# Allegro board PandaX_III_V3.brd (continued)
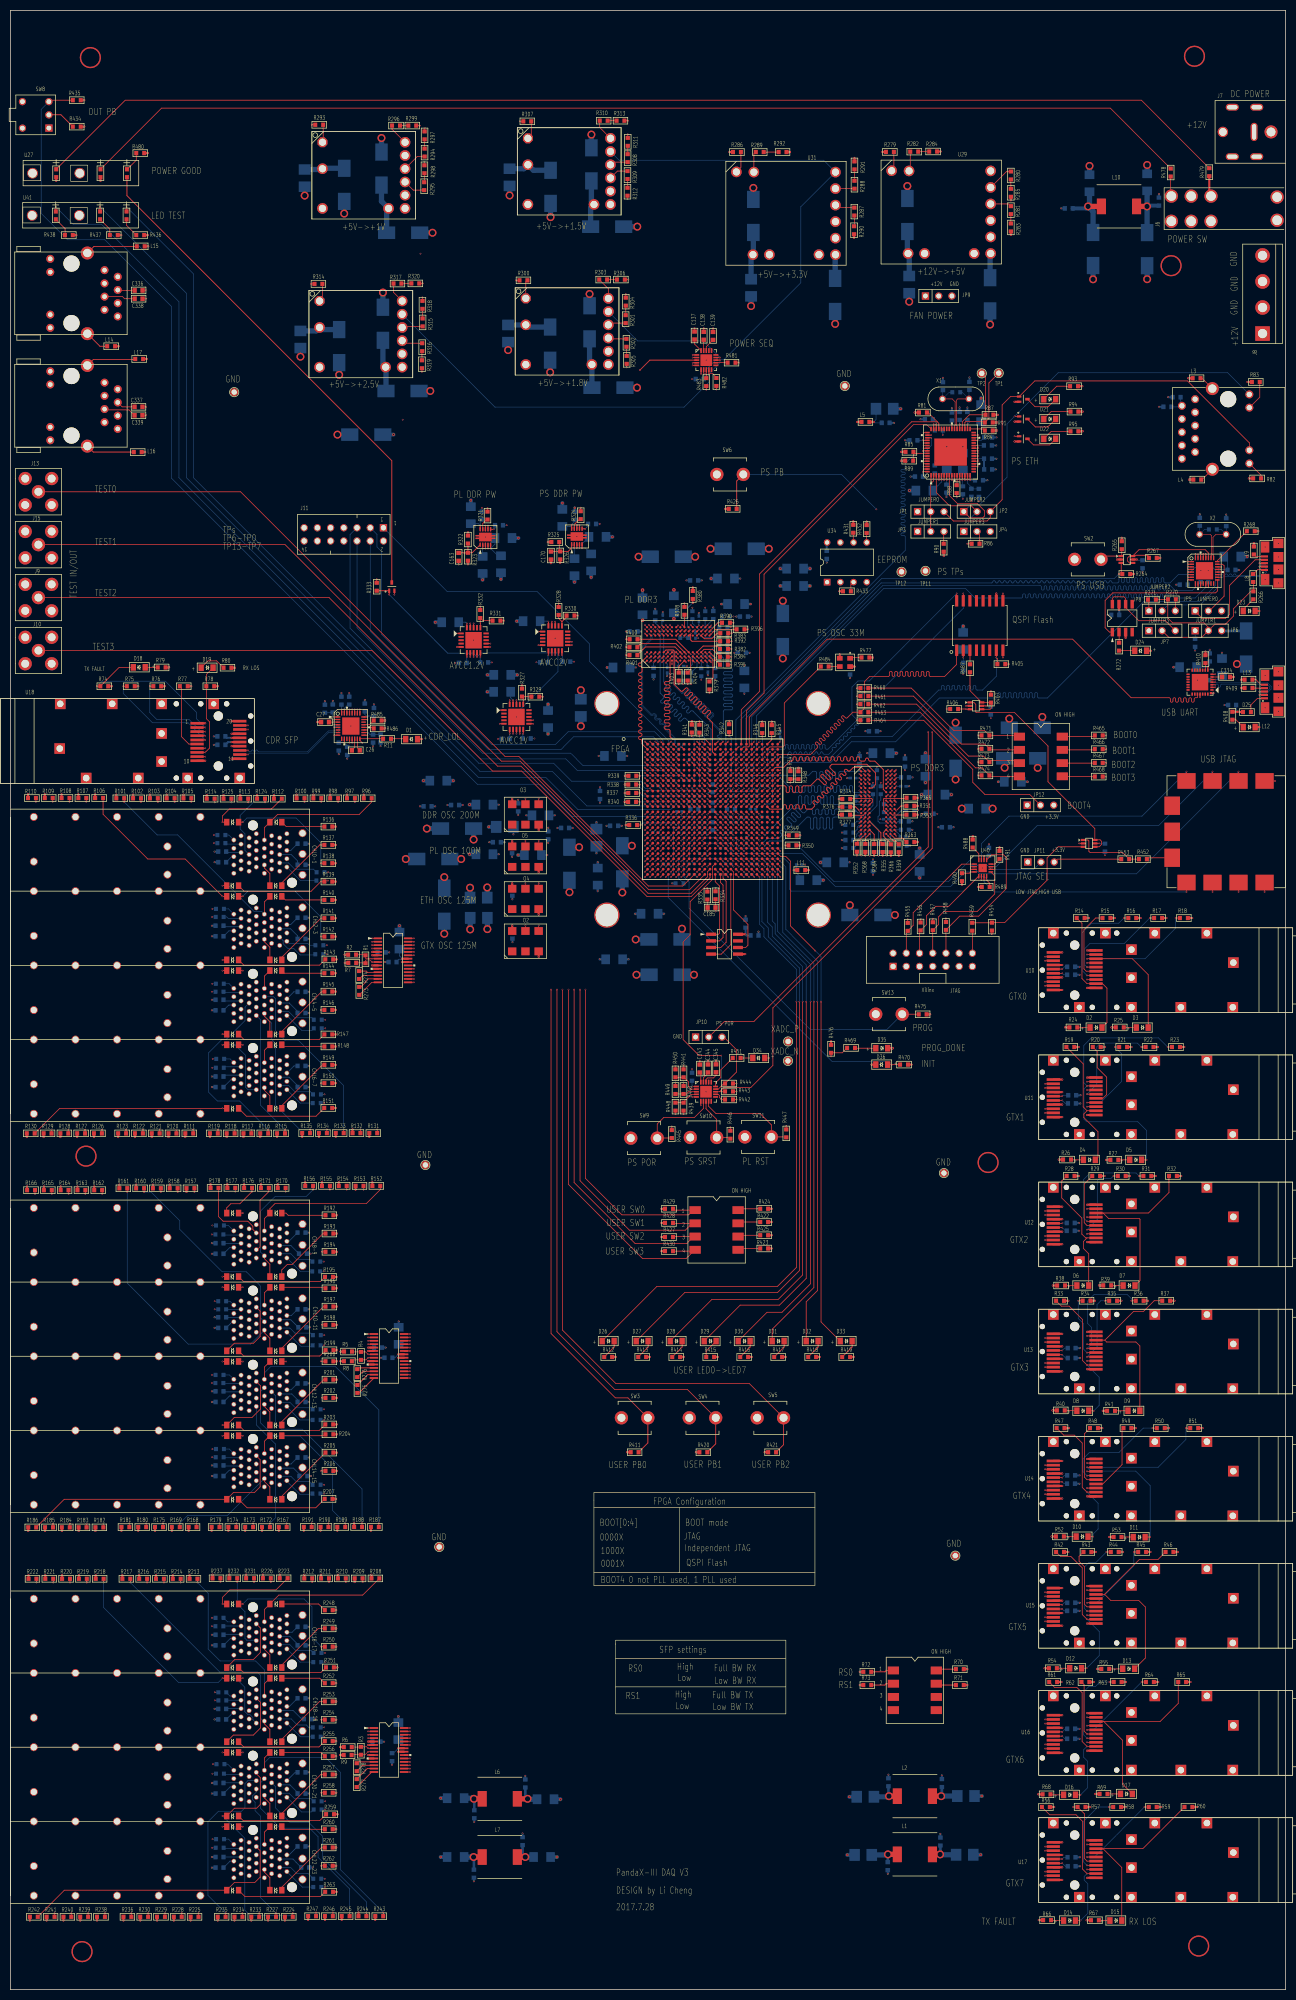
[diagram p0: board, top side]
## Routing (per net, layer and track width the routed paths; a pad name or vN(x,y) marks a point on that pad's centre or on a via; arc(x,y) is an arc through that point) (continued)
SFP_RX_LOS1: length 54.2
  TOP w0.127: U11.8 v1(206.86,173.51) ; R23.1 v1(222.35,180.98) ; D5.2 v1(218.31,159.31)
  BOTTOM w0.127: v1(218.31,159.31) 218.31,164.92 216.61,166.63 206.78,166.63 206.27,167.13 206.27,172.92 v1(206.86,173.51) 206.25,174.12 206.25,181.28 207.7,182.73 220.6,182.73 v1(222.35,180.98)
SFP_RX_LOS2: length 39.5
  TOP w0.127: 209.96,149.1 211.02,148.03 216.92,148.03 217.04,147.91 217.04,136.15 D7.2 ; 209.96,149.1 U12.8 ; 209.96,149.1 218.67,149.1 222.61,153.04 R32.1
SFP_RX_LOS3: length 35.5
  TOP w0.127: 210.29,124.69 215.82,130.23 217.73,130.23 219.76,132.26 R37.1 ; 210.29,124.69 U13.8 ; 210.29,124.69 210.64,124.33 216.26,124.33 217.02,123.57 D9.2
SFP_RX_LOS4: length 50.4
  TOP w0.127: R51.1 v1(225.86,107.8) ; U14.8 v1(206.86,100.28) ; D11.2 v1(219,86.87)
  BOTTOM w0.127: v1(225.86,107.8) 225.86,105.61 220.52,100.28 v1(206.86,100.28) 207.59,99.54 216.2,99.54 219,96.75 v1(219,86.87)
SFP_RX_LOS5: length 38.3
  TOP w0.127: U15.8 210.21,75.87 210.24,75.9 ; D13.2 218.06,63.65 218.06,73.46 216.79,74.73 211.4,74.73 210.24,75.9 ; 210.24,75.9 216.94,82.6 220.52,82.6 R46.1
SFP_RX_LOS6: length 37.5
  TOP w0.127: 210.08,51.46 220.9,51.46 224.38,54.94 R65.1 ; 210.08,51.46 213.66,47.88 213.66,39.47 215.57,37.57 ; 210.08,51.46 U16.8
SFP_RX_LOS7: length 35.6
  TOP w0.127: 213.54,13.26 213.54,23.45 209.93,27.05 ; 209.93,27.05 U17.8 ; 209.93,27.05 217.58,27.05 R60.1
SFP_RX_LOS8: length 126.9
  TOP w0.102: U1.Y13 v1(133.92,219.62)
  TOP w0.127: U18.8 v1(37.44,237.54) 38.28,238.38 38.28,243.38 37.64,244.02 R78.1 37.64,252.5 D19.2
  SIG2 w0.127: v1(37.44,237.54) 43.13,237.54 44.78,235.89 66.98,235.89 76.73,226.14 132.99,226.14 133.45,225.68 133.45,219.97 133.8,219.62 v1(133.92,219.62)
SFP_RX_N0: length 87
  TOP w0.102: U1.AD7 v1(127.92,215.62) ; U10.12 v1(198.81,198.32)
  SIG2 w0.102: v1(127.92,215.62) 128.3,215.24 128.3,214.3 128.62,213.97 130.51,213.97 130.66,213.82 130.66,210.97 131.22,210.41 190.22,210.41 200.18,200.45 200.18,200.14 arc(200.12,200) 199.99,199.94 arc(199.85,199.89) 199.8,199.75 199.8,199.73 arc(199.85,199.59) 199.99,199.54 arc(200.12,199.48) 200.18,199.35 200.18,198.55 199.72,198.1 199.03,198.1 v1(198.81,198.32)
SFP_RX_N1: length 106.4
  TOP w0.102: U1.AE5 v1(125.92,214.62) ; U11.12 v1(198.81,173.91)
  SIG1 w0.102: v1(125.92,214.62) 126.3,214.24 126.3,196.29 131.52,191.06 184.98,191.06 199.64,176.4 199.64,175.97 arc(199.59,175.83) 199.45,175.78 arc(199.32,175.72) 199.26,175.59 199.26,175.56 arc(199.32,175.43) 199.45,175.37 arc(199.59,175.31) 199.64,175.18 199.64,173.92 199.41,173.69 198.88,173.69 198.81,173.76 v1(198.81,173.91)
SFP_RX_N2: length 127.1
  TOP w0.102: U1.AC5 v1(125.92,216.62) ; U12.12 v1(198.81,149.51)
  SIG2 w0.102: v1(125.92,216.62) 126.3,216.25 126.3,182.77 133.32,175.74 176.02,175.74 200.33,151.44 200.33,151.18 arc(200.27,151.05) 200.14,150.99 arc(200,150.94) 199.95,150.8 199.95,150.78 arc(200,150.64) 200.14,150.59 arc(200.27,150.53) 200.33,150.4 200.33,150.01 199.56,149.24 199.07,149.24 v1(198.81,149.51)
SFP_RX_N3: length 140.6
  TOP w0.102: U13.12 v1(198.81,125.1) ; U1.AD3 v1(123.92,215.62)
  SIG2 w0.102: v1(198.81,125.1) 199.07,124.83 199.56,124.83 199.72,124.99 199.72,125.53 199.24,126.01 199.01,126.01 arc(198.88,125.96) 198.83,125.83 arc(198.78,125.71) 198.65,125.65 198.6,125.65 arc(198.48,125.71) 198.42,125.83 arc(198.37,125.96) 198.25,126.01 194.77,126.01 153.95,166.83 133.1,166.83 124.29,175.63 124.29,215.24 v1(123.92,215.62)
SFP_RX_N4: length 201.9
  TOP w0.102: U14.12 v1(198.81,100.69) ; U1.AB3 v1(123.92,217.62)
  SIG1 w0.102: v1(198.81,100.69) 199.07,100.42 199.5,100.42 200.02,100.94 200.02,101.75 arc(199.97,101.89) 199.83,101.94 arc(199.7,102) 199.64,102.13 199.64,102.16 arc(199.7,102.29) 199.83,102.35 arc(199.97,102.41) 200.02,102.54 200.02,102.85 196.7,106.17 129.41,106.17 114.53,121.06 114.53,199.77 119.18,204.42 119.18,214.48 120.98,216.28 124.18,216.28 124.31,216.41 124.31,217.23 v1(123.92,217.62)
SFP_RX_N5: length 187.3
  TOP w0.102: U15.12 v1(198.81,76.28) ; U1.Y3 v1(123.92,219.62)
  SIG2 w0.102: v1(123.92,219.62) 124.29,219.24 124.29,218.43 124.1,218.24 121.48,218.24 120.83,217.58 120.83,205.36 116.97,201.5 116.97,159.76 154.12,122.61 155.68,122.61 156.77,121.51 156.77,121.51 200.01,78.27 200.01,77.98 arc(199.96,77.85) 199.83,77.79 arc(199.7,77.74) 199.64,77.61 199.64,77.57 arc(199.7,77.44) 199.83,77.39 arc(199.96,77.33) 200.01,77.2 200.01,76.57 199.45,76.01 199.07,76.01 v1(198.81,76.28)
SFP_RX_N6: length 243.8
  TOP w0.102: U1.T3 v1(123.92,223.62) ; U16.12 v1(198.81,51.87)
  SIG2 w0.102: v1(198.81,51.87) 199.07,51.6 199.76,51.6 199.92,51.77 199.92,52.29 arc(199.87,52.42) 199.75,52.47 arc(199.62,52.52) 199.57,52.65 199.57,52.7 arc(199.62,52.83) 199.75,52.88 arc(199.87,52.93) 199.92,53.06 199.92,54.1 190.74,63.29 151.04,63.29 111.3,103.02 111.3,212.08 111.3,213.64 119.94,222.28 121.5,222.28 124.17,222.28 124.29,222.4 124.29,223.24 v1(123.92,223.62)
SFP_RX_N7: length 304.7
  TOP w0.102: U1.V3 v1(123.92,221.62) ; U17.12 v1(198.81,27.46)
  SIG1 w0.102: v1(198.81,27.46) 198.93,27.33 198.93,27.28 199.03,27.18 199.24,27.18 199.62,27.56 199.62,27.97 arc(199.59,28.04) 199.52,28.07 arc(199.45,28.1) 199.42,28.17 199.42,28.38 arc(199.45,28.45) 199.52,28.48 arc(199.59,28.51) 199.62,28.58 199.62,28.78 arc(199.59,28.85) 199.52,28.88 arc(199.45,28.91) 199.42,28.99 199.42,29.19 arc(199.45,29.26) 199.52,29.29 arc(199.59,29.32) 199.62,29.39 199.62,29.74 198.07,31.29 121.51,31.29 95.45,57.35 95.45,202.06 114.37,220.98 120.47,220.98 121.16,220.3 124.1,220.3 124.29,220.49 124.29,221.24 v1(123.92,221.62)
SFP_RX_N8: length 23.7
  TOP w0.102: U18.12 v1(45.64,237.14) ; U4.4 v1(62.22,242.85)
  BOTTOM w0.102: v1(45.64,237.14) 45.91,237.4 57.19,237.4 61.19,241.4 62.94,241.4 63.25,241.7 63.25,242.45 62.97,242.72 62.43,242.72 62.31,242.85 v1(62.22,242.85)
SFP_RX_P0: length 87.1
  TOP w0.102: U10.13 v1(198.81,197.54) ; U1.AD8 v1(128.92,215.62)
  SIG2 w0.102: v1(128.92,215.62) 128.55,215.24 128.55,214.4 128.73,214.22 130.61,214.22 130.91,213.93 130.91,211.08 131.32,210.67 190.32,210.67 200.43,200.56 200.43,198.45 199.83,197.84 199.11,197.84 v1(198.81,197.54)
SFP_RX_P1: length 106.4
  TOP w0.102: U11.13 v1(198.81,173.13) ; U1.AE6 v1(126.92,214.62)
  SIG1 w0.102: v1(126.92,214.62) 126.55,214.24 126.55,196.39 131.63,191.31 185.09,191.31 199.9,176.51 199.9,173.81 199.52,173.43 198.98,173.43 198.88,173.33 198.88,173.2 v1(198.81,173.13)
SFP_RX_P2: length 127.1
  TOP w0.102: U1.AC6 v1(126.92,216.62) ; U12.13 v1(198.81,148.72)
  SIG2 w0.102: v1(198.81,148.72) 199.07,148.98 199.66,148.98 200.58,149.91 200.58,151.54 176.13,176 133.43,176 126.55,182.88 126.55,216.25 v1(126.92,216.62)
SFP_RX_P3: length 140.7
  TOP w0.102: U1.AD4 v1(124.92,215.62) ; U13.13 v1(198.81,124.31)
  SIG2 w0.102: v1(124.92,215.62) 124.55,215.24 124.55,175.73 133.2,167.08 154.05,167.08 194.87,126.26 199.34,126.26 199.97,125.63 199.97,124.89 199.66,124.58 199.07,124.58 v1(198.81,124.31)
SFP_RX_P4: length 201.8
  TOP w0.102: U1.AB4 v1(124.92,217.62) ; U14.13 v1(198.81,99.9)
  SIG1 w0.102: v1(198.81,99.9) 199.07,100.17 199.61,100.17 200.28,100.84 200.28,102.95 196.8,106.43 129.52,106.43 114.78,121.16 114.78,199.67 119.43,204.32 119.43,214.37 121.09,216.03 124.29,216.03 124.56,216.3 124.56,217.27 124.91,217.62 v1(124.92,217.62)
SFP_RX_P5: length 187.3
  TOP w0.102: U15.13 v1(198.81,75.49) ; U1.Y4 v1(124.92,219.62)
  SIG2 w0.102: v1(124.92,219.62) 124.55,219.24 124.55,218.32 124.21,217.98 121.59,217.98 121.08,217.48 121.08,205.25 117.22,201.39 117.22,159.87 154.23,122.86 155.78,122.86 157.02,121.62 157.02,121.62 200.27,78.37 200.27,76.47 199.56,75.76 199.07,75.76 v1(198.81,75.49)
SFP_RX_P6: length 243.8
  TOP w0.102: U1.T4 v1(124.92,223.62) ; U16.13 v1(198.81,51.08)
  SIG2 w0.102: v1(198.81,51.08) 199.07,51.35 199.86,51.35 200.18,51.66 200.18,54.21 190.85,63.54 151.14,63.54 111.56,103.13 111.56,212.19 111.56,213.54 120.04,222.02 121.39,222.02 124.27,222.02 124.55,222.3 124.55,223.24 v1(124.92,223.62)
SFP_RX_P7: length 304.7
  TOP w0.102: U17.13 v1(198.81,26.67) ; U1.V4 v1(124.92,221.62)
  SIG1 w0.102: v1(124.92,221.62) 124.55,221.24 124.55,220.38 124.21,220.04 121.05,220.04 120.37,220.73 114.48,220.73 95.71,201.96 95.71,57.46 121.62,31.55 198.17,31.55 199.87,29.85 199.87,27.45 199.34,26.93 198.93,26.93 198.81,26.8 v1(198.81,26.67)
SFP_RX_P8: length 23.7
  TOP w0.102: U4.5 v1(62.22,242.35) ; U18.13 v1(45.64,237.92)
  BOTTOM w0.102: v1(45.64,237.92) 45.91,237.66 46.14,237.66 arc(46.26,237.71) 46.31,237.83 arc(46.36,237.95) 46.48,238 46.55,238 arc(46.67,237.95) 46.72,237.83 arc(46.77,237.71) 46.89,237.66 46.95,237.66 arc(47.07,237.71) 47.12,237.83 arc(47.17,237.95) 47.29,238 47.36,238 arc(47.48,237.95) 47.53,237.83 arc(47.58,237.71) 47.7,237.66 57.09,237.66 61.09,241.66 62.84,241.66 62.99,241.81 62.99,242.34 62.86,242.47 62.41,242.47 62.29,242.35 v1(62.22,242.35)
SFP_SCL0: length 335.9
  TOP w0.102: U1.AC14 v1(135.93,216.62)
  TOP w0.127: v1(204.2,35.05) R57.1 205.05,35.05 206.35,33.76 206.35,25.17 206.86,24.66 U17.5 ; R62.1 206.3,58.55 206.3,49.63 v1(206.86,49.07) U16.5
  SIG1 w0.127: v1(206.86,49.07) 206.73,48.95 204.65,48.95 201.37,45.67 201.37,37.89 v1(204.2,35.05)
  SIG4 w0.127: v1(206.86,49.07) 208.08,50.29 228.78,50.29 238.28,59.79 238.28,197.51 227.38,208.41 165.86,208.41 152.04,222.23 142.82,222.23 142.47,221.87 142.47,219.63 141.45,218.62 141.45,217.3 141.35,217.2 136.42,217.2 135.93,216.7 v1(135.93,216.62)
SFP_SDA0: length 292.8
  TOP w0.102: U1.AD15 v1(136.93,215.62)
  TOP w0.127: R63.1 v1(211.15,59.06) ; U17.4 v1(206.86,23.85) ; U16.4 v1(206.86,48.26) ; R58.1 v1(211.05,35.05)
  SIG1 w0.127: v1(206.86,48.26) 206.81,48.26 206.3,47.75 206.3,45.21 211.05,40.46 v1(211.05,35.05)
  SIG4 w0.127: v1(211.15,59.06) 217.73,65.63 217.73,206.43 216.48,207.67 165.58,207.67 152.06,221.2 143.62,221.2 143.46,221.03 143.46,219.33 143.33,219.2 142.67,219.2 142.44,218.97 142.44,216.31 142.29,216.16 137.46,216.16 136.93,215.62 v1(136.93,215.62)
  BOTTOM w0.127: v1(206.86,23.85) 206.18,24.52 206.18,32.3 208.94,35.05 v1(211.05,35.05) ; v1(206.86,48.26) 206.22,48.9 206.22,57.2 207.24,58.22 208.51,58.22 209.35,59.06 v1(211.15,59.06)
SFP_TX_DISABLE0: length 88.6
  TOP w0.102: U1.AC17 v1(138.93,216.62)
  TOP w0.127: U10.3 v1(206.86,193.93)
  SIG1 w0.127: v1(206.86,193.93) 206.17,194.62 206.17,206.53 203.17,209.53 142.8,209.53 139.42,212.9 139.42,215.98 138.93,216.47 v1(138.93,216.62)
SFP_TX_DISABLE1: length 102.4
  TOP w0.102: U1.AD16 v1(137.93,215.62)
  TOP w0.127: U11.3 v1(206.86,169.52)
  SIG1 w0.127: v1(206.86,169.52) 208.64,171.3 208.64,179.99 202.36,186.26 198.4,186.26 191.26,193.4 156.36,193.4 136.65,213.11 136.65,214.34 v1(137.93,215.62)
SFP_TX_DISABLE2: length 125.7
  TOP w0.102: U1.AC16 v1(137.93,216.62)
  TOP w0.127: U12.3 v1(206.86,145.11)
  SIG1 w0.127: v1(137.93,216.62) 137.39,216.62 136.25,215.47 136.25,212.45 156.31,192.38 189.33,192.38 199.67,182.04 202.44,182.04 206.17,178.31 206.17,167.74 206.92,166.99 206.92,162.19 206.25,161.52 206.25,145.72 v1(206.86,145.11)
SFP_TX_DISABLE3: length 150.6
  TOP w0.102: U1.AE16 v1(137.93,214.62)
  TOP w0.127: U13.3 v1(206.86,120.7)
  SIG1 w0.127: v1(137.93,214.62) 137.26,213.95 137.26,213.21 144.09,206.38 146.79,206.38 158.72,194.44 192.15,194.44 199.24,187.35 202.13,187.35 209.07,180.42 209.07,136.65 208.38,135.97 208.38,133.99 208.99,133.38 208.99,122.84 v1(206.86,120.7)
SFP_TX_DISABLE4: length 188.2
  TOP w0.102: U1.AB17 v1(138.93,217.62)
  TOP w0.127: U14.3 v1(206.86,96.29)
  SIG1 w0.127: v1(206.86,96.29) 213.89,103.33 213.89,181.23 209.37,185.75 209.37,189.03 205.51,192.89 201.52,192.89 200.89,193.52 200.89,197.92 199.54,199.26 191.16,199.26 189.31,201.12 153.62,201.12 147.75,206.99 144.65,206.99 138.38,213.26 138.38,217.07 v1(138.93,217.62)
SFP_TX_DISABLE5: length 223.9
  TOP w0.102: U1.AA17 v1(138.93,218.62)
  TOP w0.127: U15.3 v1(206.86,71.88)
  SIG1 w0.127: v1(138.93,218.62) 138.93,218.17 139.32,217.78 139.32,216.66 139.8,216.18 148.55,216.18 154.71,210.01 204.31,210.01 206.68,207.65 206.68,201.68 210.11,198.25 210.11,188.01 216.36,181.76 216.36,177.67 219.05,174.98 219.05,156.8 218.15,155.9 218.15,103.77 220.93,100.99 220.93,87.1 207.49,73.66 207.49,72.52 v1(206.86,71.88)
SFP_TX_DISABLE6: length 258.6
  TOP w0.102: U1.Y17 v1(138.93,219.62)
  TOP w0.127: U16.3 v1(206.86,47.47)
  SIG1 w0.127: v1(206.86,47.47) 210.85,51.46 220.93,51.46 221.92,52.45 221.92,192.79 217.09,197.61 213.06,197.61 208.97,201.7 208.97,208.15 206.48,210.64 156.51,210.64 150.01,217.15 140.44,217.15 140.28,217.3 140.28,217.81 139.9,218.19 139.52,218.19 139.4,218.31 139.4,219.15 v1(138.93,219.62)
SFP_TX_DISABLE7: length 283.4
  TOP w0.102: U1.W17 v1(138.93,220.62)
  TOP w0.127: U17.3 v1(206.86,23.06)
  SIG1 w0.127: v1(138.93,220.62) 139.4,220.14 140.11,220.14 140.33,219.91 140.33,218.54 140.72,218.16 152.17,218.16 159.13,211.2 209.32,211.2 223.22,197.31 223.22,30.51 219.76,27.05 210.85,27.05 v1(206.86,23.06)
SFP_TX_DISABLE8: length 105.6
  TOP w0.102: U1.Y10 v1(130.92,219.62)
  TOP w0.127: U18.3 v1(37.44,241.53)
  SIG4 w0.127: v1(37.44,241.53) 42.31,241.53 42.32,241.54 42.67,241.54 42.68,241.53 43.41,241.53 43.92,241.02 54.56,241.02 74.35,221.24 81.76,221.24 82.6,222.07 94.79,222.07 95.73,221.13 103.43,221.13 103.81,220.75 120.04,220.75 120.83,219.97 130.58,219.97 130.92,219.62 v1(130.92,219.62)
SFP_TX_FAULT0: length 25.6
  TOP w0.127: R14.1 205.89,204.73 205.89,194.11 206.86,193.14 U10.2 209.83,193.14 210.69,192.28 210.69,185.68 D2.2
SFP_TX_FAULT1: length 26.6
  TOP w0.127: U11.2 206.86,168.73 ; 206.86,168.73 206.25,168.12 206.25,167.44 208.97,164.72 208.97,159.82 D4.2 ; 206.86,168.73 206.12,169.47 206.12,177.75 R19.1
SFP_TX_FAULT2: length 26
  TOP w0.127: 206.86,144.32 U12.2 ; 206.86,144.32 206.17,143.64 206.17,142.29 207.19,141.28 D6.2 ; 206.86,144.32 206.6,144.32 205.87,145.06 205.87,148.13 202.01,151.99 202.01,155.27 R28.1
SFP_TX_FAULT3: length 28.6
  TOP w0.127: R33.1 200.91,132.23 201.93,131.22 203.43,131.22 206.02,128.63 206.02,120.75 v1(206.86,119.91) U13.2 ; D8.2 v1(208.15,111.13)
  BOTTOM w0.127: v1(208.15,111.13) 209.19,112.17 209.19,117.58 v1(206.86,119.91)
SFP_TX_FAULT4: length 28.4
  TOP w0.127: R47.1 201.04,107.8 202.39,106.45 204.42,106.45 205.94,104.93 205.94,96.42 v1(206.86,95.51) U14.2 ; D10.2 v1(208.03,86.97)
  BOTTOM w0.127: v1(206.86,95.51) 208.99,93.37 208.99,88.42 208.03,87.45 v1(208.03,86.97)
SFP_TX_FAULT5: length 30.6
  TOP w0.127: D12.2 v1(206.78,61.7) ; U15.2 v1(206.86,71.1) 205.94,72.01 205.94,80.98 203.73,83.19 201.75,83.19 R42.1
  BOTTOM w0.127: v1(206.86,71.1) 209.21,68.75 209.21,64.12 v1(206.78,61.7)
SFP_TX_FAULT6: length 31
  TOP w0.127: U16.2 v1(206.86,46.69) 205.92,47.63 205.92,57 204.9,58.01 200.63,58.01 R61.1 ; D16.2 v1(205.61,37.39)
  BOTTOM w0.127: v1(206.86,46.69) 206.22,46.05 206.22,44.6 206.96,43.87 206.96,38.74 v1(205.61,37.39)
SFP_TX_FAULT7: length 32.1
  TOP w0.127: D14.2 v1(205.61,13.26) ; U17.2 v1(206.86,22.28) 205.97,23.17 205.97,32.34 204.75,33.55 199.69,33.55 R56.1
  BOTTOM w0.127: v1(206.86,22.28) 206.32,21.74 206.32,21.01 207.01,20.32 207.01,14.66 v1(205.61,13.26)
SFP_TX_FAULT8: length 35.8
  TOP w0.127: U18.2 v1(37.44,242.32) ; v1(16.59,250.24) R74.1 20.9,253.87 D18.2
  BOTTOM w0.127: v1(16.59,250.24) 17.55,251.21 29.77,251.21 35.74,245.24 35.74,244.02 v1(37.44,242.32)
SFP_TX_N0: length 83.2
  TOP w0.102: U10.19 v1(198.81,192.74) ; U1.AF7 v1(127.92,213.62)
  SIG2 w0.102: v1(198.81,192.74) 198.81,192.86 198.7,192.96 196.08,192.96 179.78,209.27 129.99,209.27 128.3,210.97 128.3,213.24 v1(127.92,213.62)
SFP_TX_N1: length 112.5
  TOP w0.102: U11.19 v1(198.81,168.33) ; U1.AF3 v1(123.92,213.62)
  SIG1 w0.102: v1(198.81,168.33) 198.53,168.61 196.88,168.61 189,176.48 132.76,176.48 124.29,184.95 124.29,213.24 v1(123.92,213.62)
SFP_TX_N2: length 130
  TOP w0.102: U12.19 v1(198.81,143.92) ; U1.AE1 v1(121.92,214.62)
  SIG1 w0.102: v1(198.81,143.92) 198.55,144.17 196.04,144.17 173.1,167.11 132.71,167.11 122.29,177.53 122.29,214.24 v1(121.92,214.62)
SFP_TX_N3: length 152.3
  TOP w0.102: U1.AC1 v1(121.92,216.62) ; U13.19 v1(198.81,119.51)
  SIG2 w0.102: v1(121.92,216.62) 122.29,216.25 122.29,160 162.51,119.79 198.53,119.79 v1(198.81,119.51)
SFP_TX_N4: length 226.8
  TOP w0.102: U1.AA1 v1(121.92,218.62) ; U14.19 v1(198.81,95.1)
  SIG1 w0.102: v1(121.92,218.62) 122.29,218.24 122.29,217.32 122.19,217.22 117.83,217.22 103.15,202.54 103.15,104.19 111.98,95.35 198.58,95.35 198.68,95.25 198.68,95.23 v1(198.81,95.1)
SFP_TX_N5: length 220.5
  TOP w0.102: U1.W1 v1(121.92,220.62) ; U15.19 v1(198.81,70.69)
  SIG2 w0.102: v1(121.92,220.62) 122.29,220.25 122.29,219.36 122.19,219.25 121.08,219.25 118.8,216.97 118.8,205.26 114.53,200.99 114.53,104.77 148.36,70.94 198.55,70.94 v1(198.81,70.69)
SFP_TX_N6: length 253.4
  TOP w0.102: U1.R1 v1(121.92,224.62) ; U16.19 v1(198.81,46.28)
  SIG2 w0.102: v1(121.92,224.62) 122.29,224.24 122.29,223.42 122.11,223.24 121.36,223.24 121.21,223.09 117.88,223.09 117.12,222.33 115.36,222.33 102.64,209.61 102.64,106.25 162.34,46.55 198.54,46.55 v1(198.81,46.28)
SFP_TX_N7: length 307.9
  TOP w0.102: U1.U1 v1(121.92,222.62) ; U17.19 v1(198.81,21.87)
  SIG1 w0.102: v1(121.92,222.62) 122.29,222.24 122.29,221.46 122.01,221.18 121.6,221.18 121.06,221.72 113.48,221.72 108.96,217.2 107.65,217.2 93.78,203.33 93.78,56.21 129.64,20.35 170.59,20.35 172.39,22.15 198.53,22.15 v1(198.81,21.87)
SFP_TX_N8: length 89.6
  TOP w0.102: U18.19 v1(45.64,242.72) ; U1.H1 v1(121.92,232.62)
  SIG2 w0.102: v1(121.92,232.62) 121.55,232.25 112.45,232.25 106.4,238.3 83.77,238.3 71.73,250.34 56.06,250.34 48.17,242.46 45.91,242.46 v1(45.64,242.72)
SFP_TX_P0: length 83.2
  TOP w0.102: U10.18 v1(198.81,193.52) ; U1.AF8 v1(128.92,213.62)
  SIG2 w0.102: v1(128.92,213.62) 128.55,213.24 128.55,213.02 arc(128.59,212.92) 128.69,212.88 arc(128.79,212.84) 128.83,212.74 128.83,212.61 arc(128.79,212.51) 128.69,212.47 arc(128.59,212.43) 128.55,212.33 128.55,211.08 130.1,209.53 179.88,209.53 196.19,193.22 198.7,193.22 198.81,193.32 v1(198.81,193.52)
SFP_TX_P1: length 112.5
  TOP w0.102: U11.18 v1(198.81,169.11) ; U1.AF4 v1(124.92,213.62)
  SIG1 w0.102: v1(124.92,213.62) 124.55,213.24 124.55,185.05 132.87,176.73 189.11,176.73 196.98,168.86 197.56,168.86 arc(197.69,168.91) 197.74,169.04 arc(197.79,169.16) 197.92,169.22 197.97,169.22 arc(198.09,169.16) 198.14,169.04 arc(198.2,168.91) 198.32,168.86 198.55,168.86 v1(198.81,169.11)
SFP_TX_P2: length 130
  TOP w0.102: U1.AE2 v1(122.92,214.62) ; U12.18 v1(198.81,144.7)
  SIG1 w0.102: v1(122.92,214.62) 122.55,214.24 122.55,177.63 132.82,167.36 173.21,167.36 196.14,144.43 196.83,144.43 arc(196.96,144.48) 197.01,144.6 arc(197.06,144.73) 197.19,144.78 197.24,144.78 arc(197.36,144.73) 197.41,144.6 arc(197.47,144.48) 197.59,144.43 198.53,144.43 v1(198.81,144.7)
SFP_TX_P3: length 152.3
  TOP w0.102: U13.18 v1(198.81,120.3) ; U1.AC2 v1(122.92,216.62)
  SIG2 w0.102: v1(198.81,120.3) 198.55,120.04 198.12,120.04 arc(197.99,120.1) 197.93,120.23 arc(197.87,120.37) 197.74,120.42 197.71,120.42 arc(197.58,120.37) 197.52,120.23 arc(197.47,120.1) 197.33,120.04 162.61,120.04 122.55,160.1 122.55,216.25 v1(122.92,216.62)
SFP_TX_P4: length 226.8
  TOP w0.102: U14.18 v1(198.81,95.89) ; U1.AA2 v1(122.92,218.62)
  SIG1 w0.102: v1(198.81,95.89) 198.81,95.73 198.68,95.61 198.2,95.61 arc(198.09,95.66) 198.04,95.77 arc(197.99,95.89) 197.87,95.94 197.8,95.94 arc(197.68,95.89) 197.63,95.77 arc(197.58,95.66) 197.47,95.61 112.09,95.61 103.4,104.29 103.4,202.44 117.93,216.97 122.3,216.97 122.55,217.22 122.55,218.24 v1(122.92,218.62)
SFP_TX_P5: length 220.5
  TOP w0.102: U15.18 v1(198.81,71.48) ; U1.W2 v1(122.92,220.62)
  SIG2 w0.102: v1(198.81,71.48) 198.53,71.2 198.1,71.2 arc(197.97,71.25) 197.92,71.38 arc(197.87,71.5) 197.74,71.55 197.69,71.55 arc(197.56,71.5) 197.51,71.38 arc(197.46,71.25) 197.33,71.2 148.46,71.2 114.78,104.88 114.78,200.89 119.05,205.15 119.05,216.86 121.19,219 122.3,219 122.55,219.25 122.55,220.25 v1(122.92,220.62)
SFP_TX_P6: length 253.3
  TOP w0.102: U1.R2 v1(122.92,224.62) ; U16.18 v1(198.81,47.07)
  SIG2 w0.102: v1(198.81,47.07) 198.54,46.8 198.12,46.8 arc(198.02,46.84) 197.98,46.95 arc(197.94,47.05) 197.83,47.09 197.72,47.09 arc(197.62,47.05) 197.57,46.95 arc(197.53,46.84) 197.43,46.8 162.45,46.8 102.9,106.35 102.9,209.5 115.47,222.07 117.22,222.07 117.99,222.84 121.31,222.84 121.47,222.99 122.22,222.99 122.55,223.32 122.55,224.24 v1(122.92,224.62)
SFP_TX_P7: length 308
  TOP w0.102: U1.U2 v1(122.92,222.62) ; U17.18 v1(198.81,22.66)
  SIG1 w0.102: v1(122.92,222.62) 122.55,222.24 122.55,221.35 122.12,220.92 121.49,220.92 120.95,221.46 113.59,221.46 109.07,216.94 107.75,216.94 94.03,203.22 94.03,56.32 129.75,20.6 170.48,20.6 172.28,22.4 196.31,22.4 arc(196.39,22.44) 196.42,22.52 arc(196.46,22.6) 196.54,22.63 196.72,22.63 arc(196.8,22.6) 196.83,22.52 arc(196.86,22.44) 196.94,22.4 197.12,22.4 arc(197.2,22.44) 197.24,22.52 arc(197.27,22.6) 197.35,22.63 197.53,22.63 arc(197.61,22.6) 197.64,22.52 arc(197.68,22.44) 197.76,22.4 198.55,22.4 v1(198.81,22.66)
SFP_TX_P8: length 89.6
  TOP w0.102: U1.J1 v1(121.92,231.62) ; U18.18 v1(45.64,241.94)
  SIG2 w0.102: v1(45.64,241.94) 45.91,242.2 48.28,242.2 56.16,250.09 71.62,250.09 83.66,238.05 106.3,238.05 112.35,232 121.55,232 v1(121.92,231.62)
SFP_VCCR: length 29.4
  TOP w0.127: U10.15 v1(202.11,195.94) ; U17.15 v1(202.11,25.07) ; U12.15 v1(202.11,147.12) ; U16.15 v1(202.11,49.48) ; U15.15 v1(202.11,73.89) ; U11.15 v1(202.11,171.53) ; U14.15 v1(202.11,98.3) ; U13.15 v1(202.11,122.71)
  TOP w1.016: L2.2 v3(178.84,37.14)
  BOTTOM w0.127: v1(202.11,171.53) 202.29,171.71 C486.1 ; v1(202.11,49.48) 202.69,50.06 C496.1 ; v1(202.11,73.89) 202.49,74.27 C494.1 ; C484.1 202.54,196.37 v1(202.11,195.94) ; C492.1 202.54,98.73 v1(202.11,98.3) ; C498.1 202.44,25.4 v1(202.11,25.07) ; v1(202.11,147.12) 202.18,147.19 C488.1 ; C490.1 202.56,123.17 v1(202.11,122.71)
  BOTTOM w0.508: 178.87,37.16 178.97,37.26 C40.1
  BOTTOM w1.016: C41.1 178.87,37.16 v3(178.84,37.14)
SFP_VCCT: length 29.5
  TOP w0.127: U16.16 v1(202.11,48.67) ; U17.16 v1(202.11,24.26) ; U10.16 v1(202.11,195.12) ; U11.16 v1(202.11,170.71) ; U14.16 v1(202.11,97.49) ; U15.16 v1(202.11,73.08) ; U13.16 v1(202.11,121.9) ; U12.16 v1(202.11,146.31)
  TOP w1.016: L1.2 v3(178.64,25.96)
  BOTTOM w0.127: C497.1 202.69,23.67 v1(202.11,24.26) ; v1(202.11,170.71) 202.69,170.13 C485.1 ; C495.1 202.62,48.16 v1(202.11,48.67) ; v1(202.11,146.31) 202.72,145.7 C487.1 ; C489.1 202.74,121.26 v1(202.11,121.9) ; v1(202.11,195.12) 202.39,194.84 C483.1 ; v1(202.11,97.49) 202.46,97.13 C491.1 ; C493.1 202.46,72.72 v1(202.11,73.08)
  BOTTOM w0.508: v3(178.64,25.96) 178.69,26.01 C36.1
  BOTTOM w1.016: C37.1 178.71,25.88 v3(178.64,25.96)
SITCP_EEPROM_CS: length 13.4
  TOP w0.127: DU3.1 136.04,202.62 136.27,202.85 136.27,211.86 135.43,212.71 U1.AF14
SITCP_EEPROM_DI: length 17.8
  TOP w0.127: U1.AE15 136.93,214.62 136.93,213.39 137.52,212.8 137.52,201.09 136.5,200.08 DU3.3
SITCP_EEPROM_DO: length 18
  TOP w0.127: DU3.4 136.58,198.81 138.42,200.66 U1.AF17
SITCP_EEPROM_ORG: length 18.1
  TOP w0.127: U1.AE17 138.93,214.62 138.93,207.3 141.71,204.52 141.71,200.51 141.27,200.08 DU3.6
SITCP_EEPROM_SK: length 14.9
  TOP w0.127: U1.AF15 136.43,212.57 136.93,212.07 136.93,202 136.27,201.35 134.63,201.35
SWITCH_OUT+12V: length 12.4
  TOP w1.016: L10.1 v3(218.39,342.37)
  BOTTOM w0.762: C132.1 218.54,342.52 218.41,342.39
  BOTTOM w1.016: C133.1 218.41,342.34 v3(218.39,342.37) 218.41,342.39 C131.1
TRIGGER_IN_0: length 155
  TOP w0.127: J9.1 61.24,267.26 93.6,234.9 98.09,234.9 122.5,210.49 130.78,210.49 133.92,213.63 133.92,214.62 U1.AE13
TRIGGER_IN_1: length 150.7
  TOP w0.127: J10.1 69.49,257.1 92.63,233.96 98.22,233.96 122.3,209.88 130.84,209.88 134.42,213.47 U1.AF13
TRIGGER_OUT_0: length 158.3
  TOP w0.127: J13.1 44.22,287.58 95.02,236.78 97.69,236.78 122.58,211.89 129.19,211.89 U1.AF10
TRIGGER_OUT_1: length 156.7
  TOP w0.127: J15.1 52.78,277.42 94.34,235.87 97.94,235.87 122.63,211.18 130.48,211.18 U1.AF12
UART_USB_D_N: length 15.9
  TOP w0.102: U35.4 v1(231.48,251.03) ; J14.2 v1(239.98,248.58)
  BOTTOM w0.102: v1(231.48,251.03) 231.57,251.03 231.7,250.91 241.55,250.91 242.24,250.22 242.24,249.71 241.33,248.79 240.2,248.79 v1(239.98,248.58)
UART_USB_D_P: length 15.9
  TOP w0.102: J14.3 v1(239.98,249.23) ; U35.3 v1(231.48,250.53)
  BOTTOM w0.102: v1(231.48,250.53) 231.55,250.53 231.68,250.65 231.91,250.65 arc(232.05,250.59) 232.11,250.45 232.11,250.24 arc(232.31,250.04) 232.52,250.24 232.52,250.45 arc(232.57,250.59) 232.72,250.65 241.44,250.65 241.99,250.11 241.99,249.81 241.22,249.05 240.16,249.05 v1(239.98,249.23)
UART_USB_RXD: length 111.4
  TOP w0.127: U1.B19 140.89,238.58 141.81,238.58 141.96,238.74 141.96,244.3 156.95,259.28 204.09,259.28 215.34,248.03 222.62,248.03 arc(222.8,247.96) 222.87,247.78 222.87,247.42 arc(223.13,247.17) 223.38,247.42 223.38,247.78 arc(223.63,248.03) 223.89,247.78 223.89,247.42 arc(224.14,247.17) 224.4,247.42 224.4,247.78 arc(224.65,248.03) 224.9,247.78 224.9,247.42 arc(225.16,247.17) 225.41,247.42 225.41,247.78 arc(225.67,248.03) 225.92,247.78 225.92,247.42 arc(226.17,247.17) 226.43,247.42 226.43,247.78 arc(226.68,248.03) 226.94,247.78 226.94,247.42 arc(227.19,247.17) 227.44,247.42 227.44,247.78 arc(227.52,247.96) 227.7,248.03 227.98,248.03 228.07,248.12 U35.24
